# KiCad board OpenEFI_rev4_bkp.kicad_pcb
title: OpenEFI; date: 2023-10-15; rev: v4; company: Churrosoft; note: MIT Licence
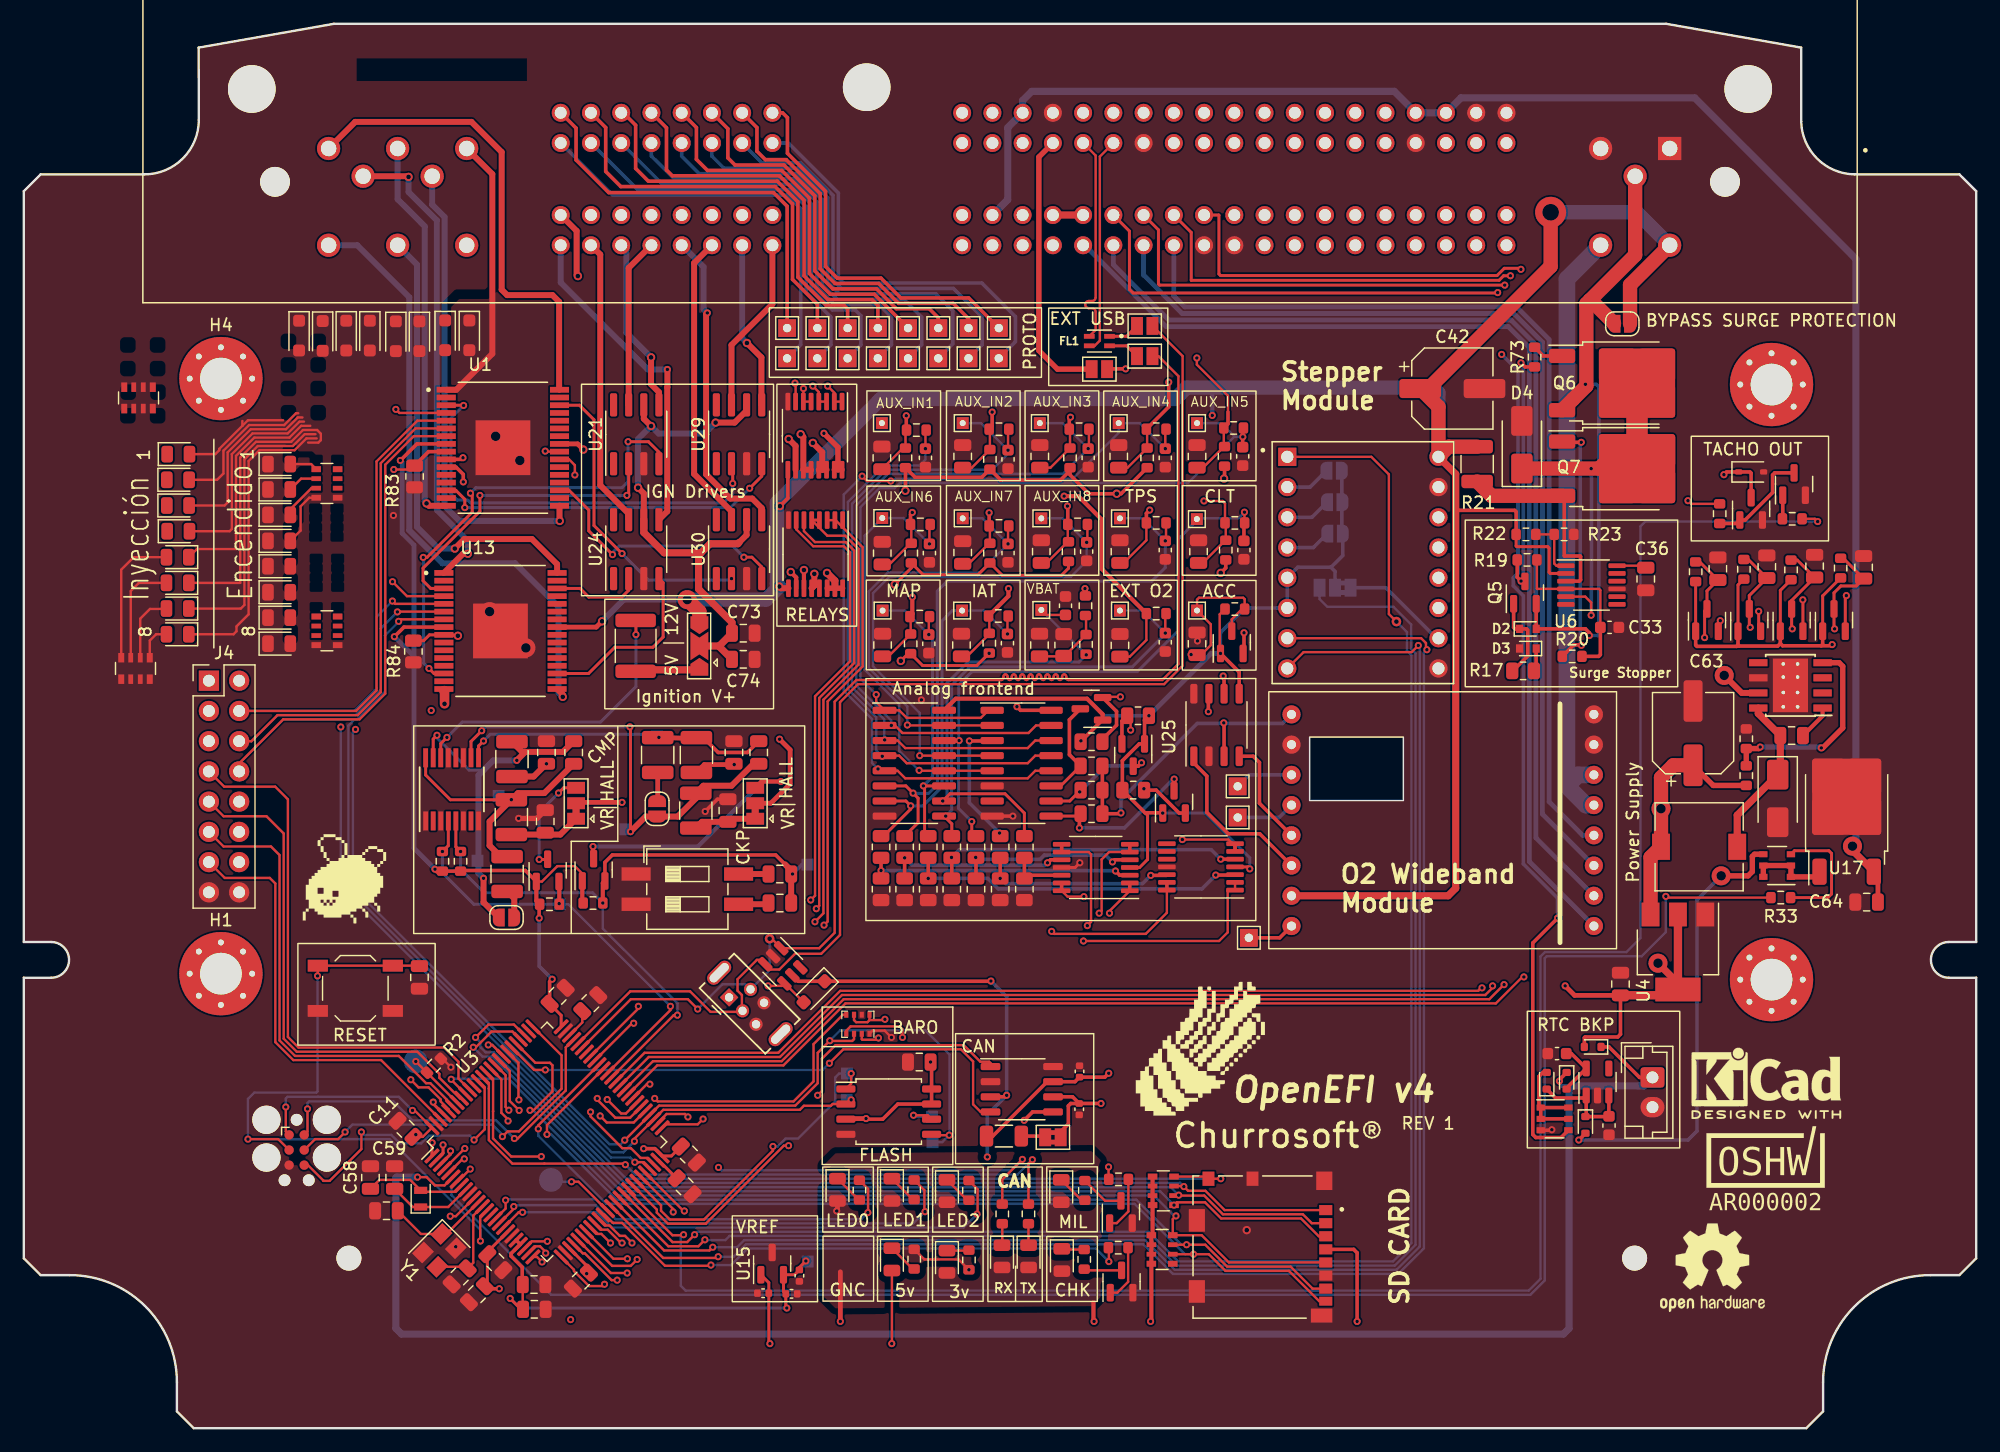
[diagram p0: board, top side]
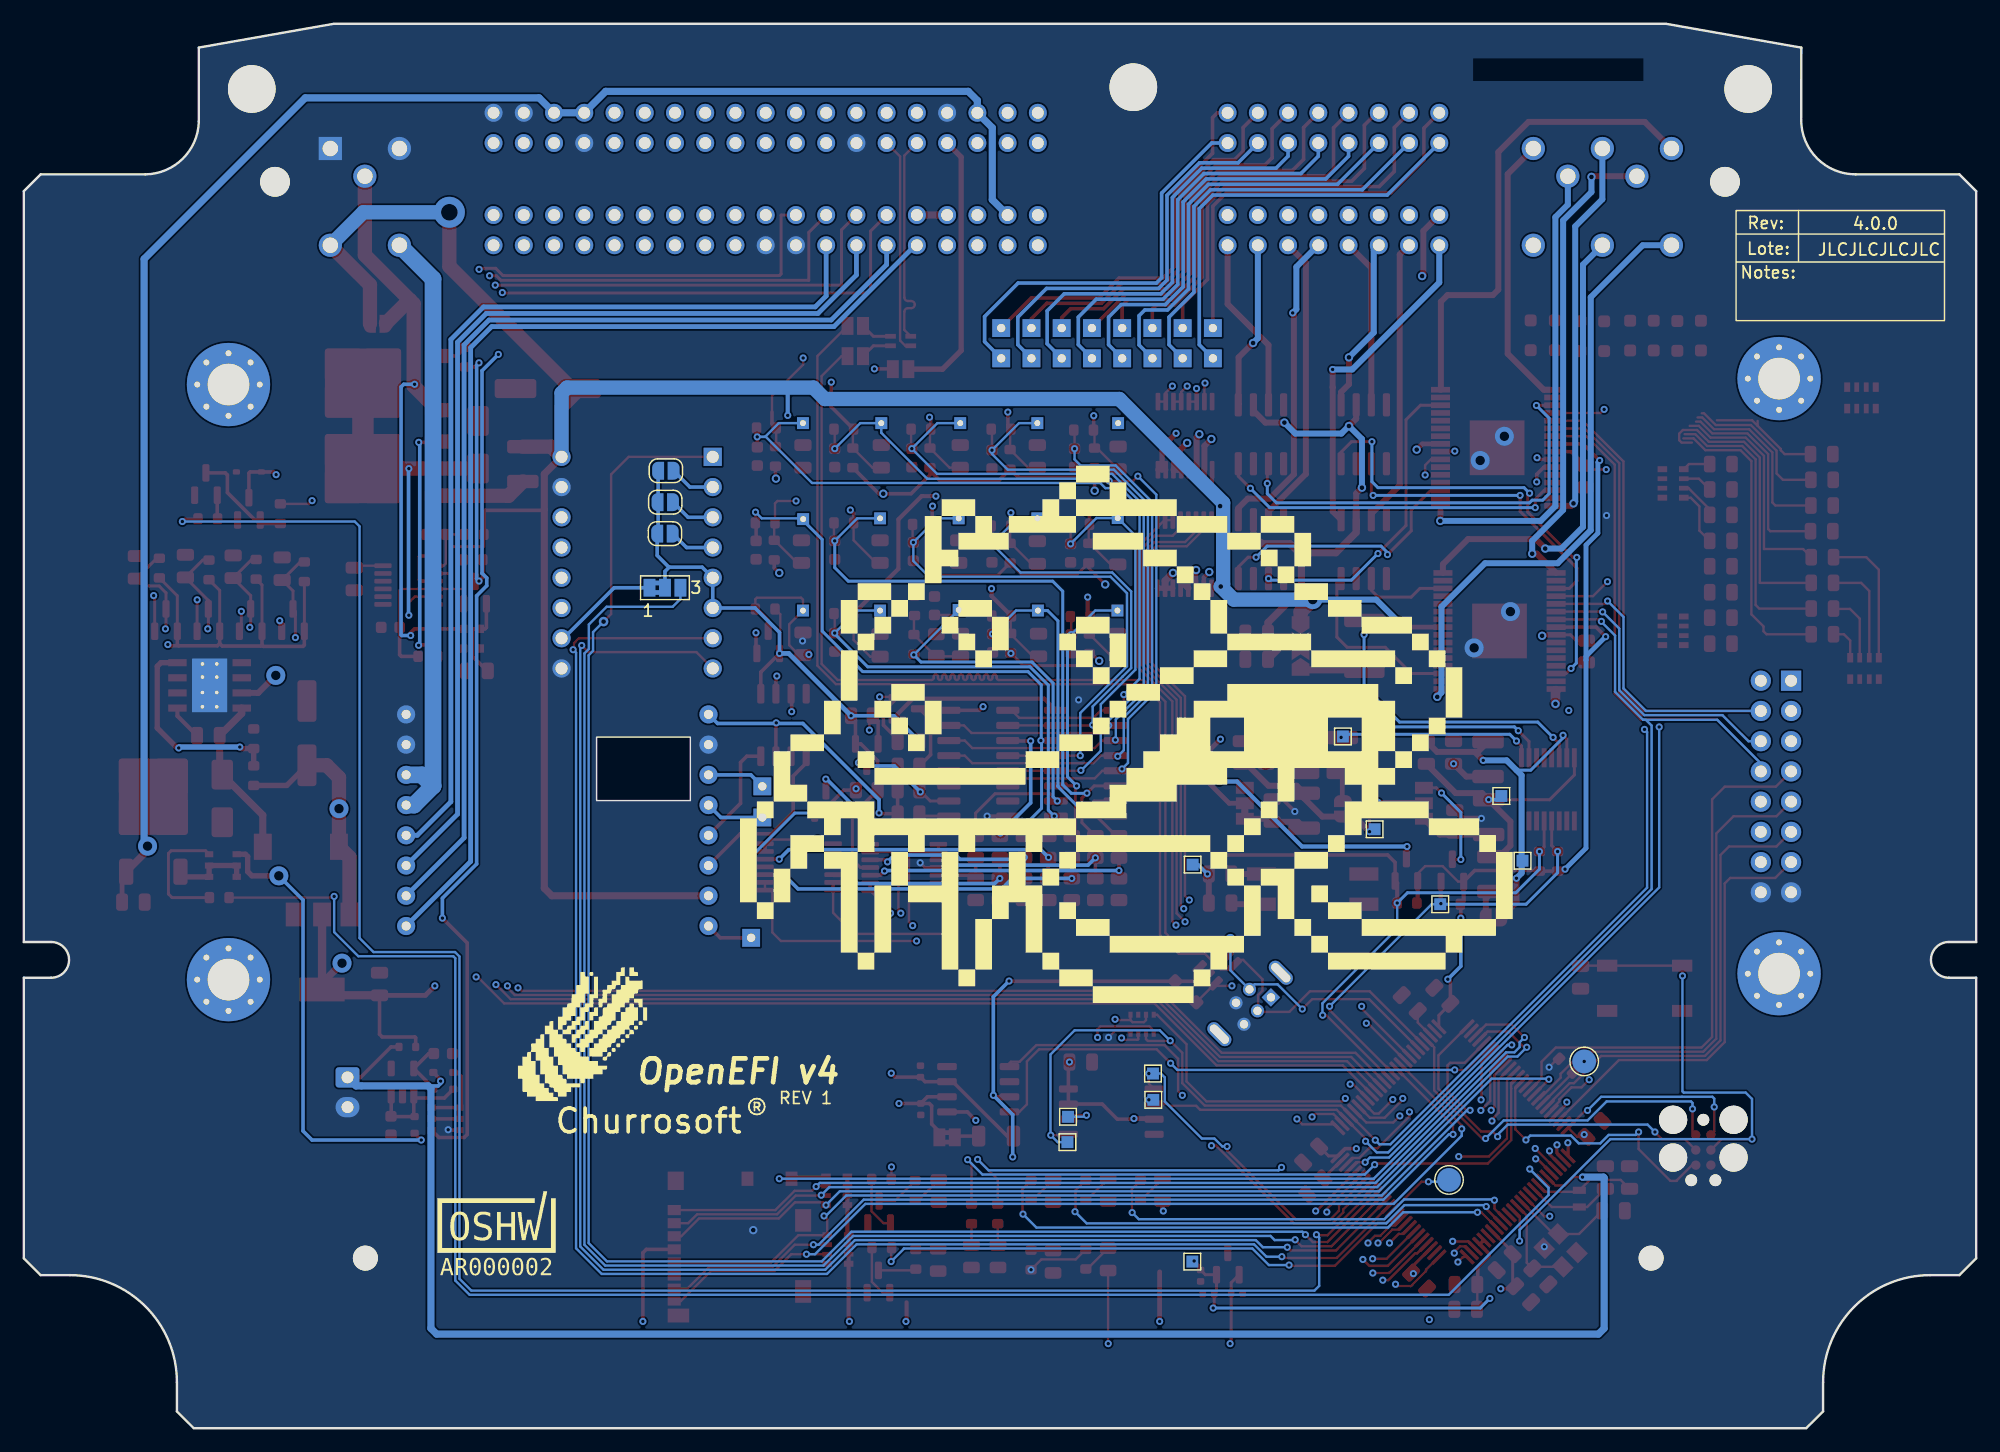
[diagram p1: board, bottom side, seen from below]

Outline 164 x 118 mm; copper layers: Top, In1.Cu (plane), In2.Cu, Bottom. Coordinates in mm from the lower left corner of the outline.
Outline path: 1.41,105.35 0,103.94 0,40.85 2.3,40.85 arc(3.8,39.35) 2.3,37.85 0,37.85 0,14.27 1.41,12.86 3.86,12.86 arc(10.22,10.22) 12.86,3.86 12.86,1.41 14.27,0 149.73,0 151.14,1.41 151.14,3.86 arc(153.78,10.22) 160.14,12.86 162.59,12.86 164,14.27 164,37.85 ; 1.41,105.35 10.11,105.35 arc(13.35,106.68) 14.7,109.91 14.68,116 26.04,118 137.96,118 149.3,116 149.3,109.79 arc(150.65,106.66) 153.8,105.35 ; 164,37.85 161.7,37.85 arc(160.2,39.35) 161.7,40.85 164,40.85 164,103.94 162.59,105.35 ; 162.59,105.35 153.8,105.35
Stack: Top 0.035mm / dielectric 0.48mm FR4 er 4.5 / In1.Cu 0.035mm / dielectric 0.48mm FR4 er 4.5 / In2.Cu 0.035mm / dielectric 0.48mm FR4 er 4.5 / Bottom 0.035mm

## Placement (name value [footprint] x y rotation side)
BT1  Battery_Cell  [JST_EH_B2B-EH-A_1x02_P2.50mm_Vertical]  136.81 29.48 270 top
C1  100nF  [C_0805_2012Metric]  92.07 65.78 90 top
C2  15pF  [C_0805_2012Metric]  30.46 18.27 180 top
C3  15pF  [C_0805_2012Metric]  36.61 12.76 225 top
C4  0.22uF  [C_0603_1608Metric]  75.74 81.53 270 top
C5  100nF  [C_0805_2012Metric]  42.88 9.99 0 top
C6  1uF  [C_0805_2012Metric]  42.86 12.07 0 top
C7  2.2uF  [C_0805_2012Metric]  55.51 20.33 315 top
C8  2.2uF  [C_0805_2012Metric]  47.58 35.72 45 top
C9  100nF  [C_0805_2012Metric]  33.23 37.88 90 top
C10  100nF  [C_0805_2012Metric]  55.86 22.99 315 top
C11  100nF  [C_0805_2012Metric]  32.06 25.15 135 top
C13  100nF  [C_0805_2012Metric]  38.06 11.26 225 top
C14  100nF  [C_0805_2012Metric]  44.84 36.33 45 top
C15  100nF  [C_0805_2012Metric]  46.8 12.4 225 top
C16  4.7uF  [C_0805_2012Metric]  39.61 13.95 315 top
C17  100nF  [C_0805_2012Metric]  75.22 30.77 180 top
C18  100nF  [C_0805_2012Metric]  78.87 81.65 90 top
C19  0.01uF  [C_0805_2012Metric]  146.41 72.38 270 top
C20  0.22uF  [C_0603_1608Metric]  82.68 81.4 270 top
C21  100nF  [C_0805_2012Metric]  85.34 81.65 90 top
C22  0.01uF  [C_0805_2012Metric]  150.43 72.43 270 top
C23  0.22uF  [C_0603_1608Metric]  89.41 81.53 270 top
C24  100nF  [C_0805_2012Metric]  91.97 81.65 90 top
C25  100nF  [C_0805_2012Metric]  85.32 65.8 90 top
C26  0.22uF  [C_0603_1608Metric]  95.88 81.53 270 top
C27  47p  [C_0402_1005Metric]  88.68 29.98 270 top
C28  47p  [C_0402_1005Metric]  88.66 26.8 270 top
C29  0.22uF  [C_0603_1608Metric]  87.5 69.11 90 top
C30  100nF  [C_0805_2012Metric]  72.13 65.8 90 top
C31  0.01uF  [C_0805_2012Metric]  98.55 65.91 270 top
C32  100nF  [C_0805_2012Metric]  72.08 81.53 90 top
C33  47nF  [C_0603_1608Metric]  133.2 67.29 0 top
C34  100nF  [C_0805_2012Metric]  98.55 81.65 90 top
C35  0.22uF  [C_0603_1608Metric]  102.39 81.65 270 top
C36  100nF  [C_0805_2012Metric]  136.24 71.35 270 top
C37  100nF  [C_0805_2012Metric]  72.11 73.53 90 top
C38  0.22uF  [C_0603_1608Metric]  76.07 73.53 270 top
C39  100nF  [C_0805_2012Metric]  78.87 73.58 90 top
C40  1u  [C_0402_1005Metric]  62.1 11.34 180 top
C41  0.01uF  [C_0805_2012Metric]  63.51 46.56 180 top
C42  100uF ±20% 35V  [CP_Elec_6.3x7.7]  120 87.35 0 top
C43  1u  [C_0402_1005Metric]  65.15 12.82 270 top
C44  0.22uF  [C_0603_1608Metric]  82.68 73.53 270 top
C45  100nF  [C_0805_2012Metric]  85.47 73.65 90 top
C46  0.22uF  [C_0603_1608Metric]  76.02 65.91 270 top
C47  4700pF  [C_0805_2012Metric]  63.51 44.13 180 top
C48  100n  [C_0402_1005Metric]  64.49 11.29 0 top
C49  0.22uF  [C_0603_1608Metric]  95.88 66.03 270 top
C50  0.22uF  [C_0603_1608Metric]  89.28 73.65 270 top
C51  0.01uF  [C_0805_2012Metric]  154.54 72.33 270 top
C52  0.01uF  [C_0805_2012Metric]  43.9 56.77 90 top
C53  0.01uF  [C_0805_2012Metric]  43.8 50.98 90 top
C54  0.01uF  [C_0805_2012Metric]  46.19 56.77 90 top
C55  0.01uF  [C_0805_2012Metric]  59.14 51.9 90 top
C56  0.01uF  [C_0805_2012Metric]  59.65 56.77 90 top
C57  0.01uF  [C_0805_2012Metric]  61.73 56.77 270 top
C58  6.8pF  [C_0805_2012Metric]  29.12 21.06 90 top
C59  6.8pF  [C_0805_2012Metric]  31.15 21.06 90 top
C60  47nF  [C_0603_1608Metric]  133.16 25.43 270 top
C61  47nF  [C_0603_1608Metric]  128.79 31.48 180 top
C62  10nF  [C_0805_2012Metric]  148.5 58.2 180 top
C63  330uF ±20% 6.3V  [CP_Elec_6.3x7.7]  140.22 58.4 90 top
C64  100nF  [C_0805_2012Metric]  154.8 44.2 180 top
C65  100nF  [C_0805_2012Metric]  134.12 37.32 90 top
C66  100nF  [C_0805_2012Metric]  78.76 65.8 90 top
C67  0.22uF  [C_0603_1608Metric]  82.62 65.96 270 top
C68  100nF  [C_0805_2012Metric]  98.68 73.65 90 top
C69  0.22uF  [C_0603_1608Metric]  102.49 73.78 270 top
C70  100nF  [C_0805_2012Metric]  92.07 73.65 90 top
C71  0.22uF  [C_0603_1608Metric]  95.88 73.78 270 top
C72  0.01uF  [C_0805_2012Metric]  142.3 72.21 270 top
C73  1uF  [C_0805_2012Metric]  60.44 66.8 180 top
C74  0.1uF  [C_0805_2012Metric]  60.44 64.6 0 top
Churrosoft  SYM_Hot_Large  [churro_new_v4]  99.02 31.88 0 top
Churrosoft#2  SYM_Hot_Large  [churro_new_v4]  116.87 33.1 180 bottom
D1  LED  [LED_0805_2012Metric]  84.4 14.44 270 top
D2  1N4148  [D_SOD-523]  126.34 67.16 0 top
D3  1N4148  [D_SOD-523]  126.34 65.51 180 top
D4  SMAJ58CA  [D_SMA]  125.84 82.63 90 top
D5  LED  [LED_0805_2012Metric]  82.17 14.44 270 top
D6  LED  [LED_0805_2012Metric]  72.92 14.19 270 top
D7  LED  [LED_0805_2012Metric]  77.54 13.98 270 top
D8  LED  [LED_0805_2012Metric]  68.35 20.03 270 top
D9  LED  [LED_0805_2012Metric]  72.92 20.03 270 top
D10  LED  [LED_0805_2012Metric]  77.54 19.93 270 top
D11  MM3Z24VT1G  [D_SOD-323]  145.09 80.35 0 top
D12  LED  [LED_0805_2012Metric]  87.15 19.93 270 top
D13  LED  [LED_0805_2012Metric]  87.2 14.14 270 top
D14  1N4148  [D_SOD-523#2]  131.78 32.04 180 top
D15  1N5819WS  [D_SOD-323_HandSoldering]  66.39 36.67 225 top
D16  LED  [LED_0805_2012Metric]  21.45 78.87 0 top
D17  LED  [LED_0805_2012Metric]  21.45 76.74 0 top
D18  LED  [LED_0805_2012Metric]  21.45 74.55 0 top
D19  LED  [LED_0805_2012Metric]  21.45 72.42 0 top
D20  LED  [LED_0805_2012Metric]  21.45 70.24 0 top
D21  LED  [LED_0805_2012Metric]  21.45 68.1 0 top
D22  LED  [LED_0805_2012Metric]  21.45 65.92 0 top
D23  1N4148  [D_SOD-523#2]  127.92 29.19 90 top
D24  1N4148  [D_SOD-523#2]  131.17 25.48 270 top
D25  1N4148  [D_SOD-523#2]  129.6 29.19 270 top
D26  B540C-13-F  [D_SMA]  147.33 52.91 270 top
D43  LED  [LED_0805_2012Metric]  12.98 81.84 0 top
D47  D  [D_SOD-323_HandSoldering]  23.12 91.8 270 top
D63  LED  [LED_0805_2012Metric]  12.95 79.69 0 top
D64  D  [D_SOD-323_HandSoldering]  25.1 91.78 270 top
D65  LED  [LED_0805_2012Metric]  12.95 77.53 0 top
D66  D  [D_SOD-323_HandSoldering]  27.09 91.8 270 top
D67  LED  [LED_0805_2012Metric]  12.98 75.37 0 top
D68  D  [D_SOD-323_HandSoldering]  29.07 91.8 270 top
D69  LED  [LED_0805_2012Metric]  12.92 73.19 180 top
D70  D  [D_SOD-323_HandSoldering]  31.25 91.75 270 top
D71  LED  [LED_0805_2012Metric]  12.92 71.03 180 top
D72  D  [D_SOD-323_HandSoldering]  33.23 91.75 270 top
D73  LED  [LED_0805_2012Metric]  12.92 68.87 180 top
D74  D  [D_SOD-323_HandSoldering]  35.39 91.83 270 top
D75  LED  [LED_0805_2012Metric]  12.92 66.71 180 top
D76  D  [D_SOD-323_HandSoldering]  37.42 91.83 270 top
D77  LED  [LED_0805_2012Metric]  21.45 81.01 0 top
F1  Polyfuse  [Fuse_1812_4532Metric]  51.4 65.73 270 top
FL1  DLW21SZ900HQ2L  [FIL_DLW21SZ900HQ2L]  90.35 91.34 180 top
G***  -  [LOGO]  26.93 46.16 0 top
G***#2  -  [LOGO]  146.31 21.82 0 top
G***#3  -  [LOGO]  124.29 16.36 180 bottom
G***#4  -  [LOGO]  71.38 58.3 180 bottom
H1  MountingHole  [MountingHole_3.5mm_Pad_Via]  16.56 38.19 0 top
H2  MountingHole  [MountingHole_3.5mm_Pad_Via]  146.81 87.69 0 top
H3  MountingHole  [MountingHole_3.5mm_Pad_Via]  146.81 37.69 0 top
H4  MountingHole  [MountingHole_3.5mm_Pad_Via]  16.56 88.19 0 top
H5  MountingHole  [MountingHole_2.1mm]  27.31 14.29 0 top
H6  MountingHole  [MountingHole_2.1mm]  135.31 14.29 0 top
J1  USB_B  [USB_Mini-B_Tensility_54-00023_Vertical]  59.24 36.2 315 top
J2  Tag connect  [Tag-Connect_TC2030-IDC-FP_2x03_P1.27mm_Vertical]  22.92 23.37 270 top
J3  104031-0811  [MOLEX_104031-0811]  103.91 15.22 90 top
J4  Conn_02x08_Odd_Even  [PinHeader_2x08_P2.54mm_Vertical]  15.55 62.8 0 top
J6  1241434-1  [TE_1241434-1]  82 112.52 180 top
JP1  SolderJumper_2_Open  [SolderJumper-2_P1.3mm_Open_RoundedPad1.0x1.5mm]  110.12 77.81 180 bottom
JP2  SolderJumper_2_Open  [SolderJumper-2_P1.3mm_Open_RoundedPad1.0x1.5mm]  110.07 80.45 180 bottom
JP3  SolderJumper_2_Open  [SolderJumper-2_P1.3mm_Open_RoundedPad1.0x1.5mm]  110.14 75.16 180 bottom
JP4  Jumper_NO_Small  [SolderJumper-2_P1.3mm_Open_RoundedPad1.0x1.5mm]  134.27 92.79 0 top
JP5  ~  [SolderJumper-3_P1.3mm_Bridged2Bar12_Pad1.0x1.5mm_NumberLabels]  110.14 70.62 180 bottom
JP6  SolderJumper_3_Bridged12  [SolderJumper-3_P2.0mm_Open_TrianglePad1.0x1.5mm]  56.75 65.72 90 top
JP7  Jumper_2_Open  [SolderJumper-2_P1.3mm_Bridged2Bar_Pad1.0x1.5mm]  86.45 24.44 180 top
JP8  Jumper_3_Bridged12  [SolderJumper-3_P1.3mm_Bridged12_Pad1.0x1.5mm]  46.39 52.51 90 top
JP9  Jumper_3_Bridged12  [SolderJumper-3_P1.3mm_Bridged12_Pad1.0x1.5mm]  61.44 52.51 90 top
JP10  SolderJumper_2_Open  [SolderJumper-2_P1.3mm_Open_Pad1.0x1.5mm]  90.35 88.98 0 top
JP11  SolderJumper_2_Open  [SolderJumper-2_P1.3mm_Open_Pad1.0x1.5mm]  94.16 90.07 0 top
JP12  SolderJumper_2_Open  [SolderJumper-2_P1.3mm_Open_Pad1.0x1.5mm]  94.16 92.61 0 top
JP23  SolderJumper_2_Open  [SolderJumper-2_P1.3mm_Open_RoundedPad1.0x1.5mm]  40.55 42.91 0 top
JP24  SolderJumper_2_Open  [SolderJumper-2_P1.3mm_Open_RoundedPad1.0x1.5mm]  53.2 52.04 90 top
L1  10uH  [L_7.3x7.3_H4.5]  140.73 48.85 180 top
LOGO1  Logo_Open_Hardware_Large  [OSHW-Logo2_9.8x8mm_SilkScreen]  141.84 13.49 0 top
Q1  AO3400A  [SOT-23]  144.94 67.9 90 top
Q2  AO3400A  [SOT-23]  141.39 67.9 90 top
Q3  AO3400A  [SOT-23]  148.5 67.9 90 top
Q4  AO3400A  [SOT-23]  152.05 67.9 90 top
Q5  SS8050  [SOT-23]  126.09 70.21 90 top
Q6  IRLZ44N  [TO-252-2]  134.25 87.81 0 top
Q7  IRLZ44N  [TO-252-2]  134.26 80.62 0 top
Q8  SS8050  [SOT-23]  92.16 18.17 90 top
Q9  SS8050  [SOT-23]  92.21 12.32 90 top
Q10  PMN30XPX  [TSOP-6_1.65x3.05mm_P0.95mm]  147.28 47.28 180 top
Q11  SS8050  [SOT-23]  148.7 79.33 90 top
Q12  AO3400A  [SOT-23]  145.09 77.25 90 top
Q14  AO3400A  [SOT-23]  93.19 56.56 270 top
Q15  AO3400A  [SOT-23]  96.62 52.62 90 top
Q16  AO3400A  [SOT-23]  89.69 60.45 180 top
Q17  AO3400A  [SOT-23]  44 46.87 90 top
Q18  AO3400A  [SOT-23]  47.86 46.92 90 top
Q19  AO3400A  [SOT-23]  101.47 66.03 90 top
Q20  PMN30XPX  [TSOP-6_1.65x3.05mm_P0.95mm]  128.58 25.99 0 top
R1  120R  [R_1206_3216Metric]  82.33 24.54 180 top
R2  10k  [R_0603_1608Metric]  34.45 30.46 45 top
R3  4.7k  [R_0603_1608Metric]  79.39 14.14 270 top
R4  4.7k  [R_0603_1608Metric]  74.79 14.21 90 top
R5  4.7k  [R_0603_1608Metric]  84.39 18.01 90 top
R6  2.49k +-1%  [R_0603_1608Metric]  81.15 81.4 270 top
R7  348k  [R_0805_2012Metric]  79.98 45.28 270 top
R8  470R  [R_0603_1608Metric]  101.62 84.04 180 top
R9  2.49k +-1%  [R_0603_1608Metric]  87.88 81.53 270 top
R10  180k  [R_0805_2012Metric]  79.98 48.84 90 top
R11  470R  [R_0603_1608Metric]  81.91 83.94 180 top
R12  2.49k +-1%  [R_0603_1608Metric]  94.36 81.53 270 top
R13  180k  [R_0805_2012Metric]  73.99 48.84 90 top
R14  470R  [R_0603_1608Metric]  88.64 83.94 180 top
R15  2.49k +-1%  [R_0603_1608Metric]  87.76 73.65 270 top
R16  604R  [R_0805_2012Metric]  87.35 65.8 270 top
R17  10k  [R_0805_2012Metric]  125.94 63.63 180 top
R18  10k  [R_0805_2012Metric]  89.69 55.64 180 top
R19  1M 1/10W  [R_0603_1608Metric]  126.27 72.96 180 top
R20  10R 1/10W  [R_0603_1608Metric]  130.06 64.85 0 top
R21  0.01R  [R_1210_3225Metric]  122.08 81.01 270 top
R22  57.6K 1/10W  [R_0603_1608Metric]  126.18 75.1 0 top
R23  4.99K 1/10W  [R_0603_1608Metric]  129.38 75.1 180 top
R24  4.7k  [R_0603_1608Metric]  82.19 18.01 90 top
R25  4.7k  [R_0603_1608Metric]  70.19 20.01 90 top
R26  4.7k  [R_0603_1608Metric]  74.79 20.03 90 top
R27  4.7k  [R_0603_1608Metric]  79.39 19.98 90 top
R28  3.88k  [R_0603_1608Metric]  89.18 69.11 90 top
R29  4.7k  [R_0603_1608Metric]  89.13 19.98 90 top
R30  4.7k  [R_0603_1608Metric]  89.08 14.19 270 top
R31  1k  [R_0603_1608Metric]  91.96 20.91 0 top
R32  1k  [R_0603_1608Metric]  91.93 15.17 0 top
R33  10R 1/10W  [R_0603_1608Metric]  147.58 44.58 0 top
R34  1k  [R_0603_1608Metric]  148.55 76.41 180 top
R35  100k  [R_0603_1608Metric]  142.45 76.84 270 top
R36  2.49k +-1%  [R_0603_1608Metric]  74.06 81.53 270 top
R37  470R  [R_0603_1608Metric]  95.12 83.94 180 top
R38  470R  [R_0603_1608Metric]  74.98 83.86 180 top
R39  2.49k +-1%  [R_0603_1608Metric]  81.15 73.53 270 top
R40  470R  [R_0603_1608Metric]  88.52 75.94 180 top
R41  2.49k +-1%  [R_0603_1608Metric]  74.55 73.53 270 top
R42  470R  [R_0603_1608Metric]  81.91 75.81 180 top
R43  2.49k +-1%  [R_0603_1608Metric]  100.86 81.65 270 top
R44  348k  [R_0805_2012Metric]  73.99 45.28 270 top
R45  470R  [R_0603_1608Metric]  101.73 76.07 180 top
R46  2.49k +-1%  [R_0603_1608Metric]  100.96 73.78 270 top
R47  180k  [R_0805_2012Metric]  72.01 48.84 90 top
R48  348k  [R_0805_2012Metric]  72.01 45.28 270 top
R49  10k  [R_0805_2012Metric]  89.69 57.68 180 top
R50  10k  [R_0805_2012Metric]  89.69 53.61 180 top
R51  10k  [R_0805_2012Metric]  93.6 59.86 0 top
R52  10k  [R_0805_2012Metric]  89.69 51.63 180 top
R53  10k  [R_0805_2012Metric]  93.19 53.61 180 top
R54  2.49k +-1%  [R_0603_1608Metric]  81.1 65.96 270 top
R55  180k  [R_0805_2012Metric]  75.97 48.84 90 top
R56  470R  [R_0603_1608Metric]  89.23 65.86 90 top
R57  180k  [R_0805_2012Metric]  82.01 48.84 90 top
R60  470R  [R_0603_1608Metric]  75.31 75.94 180 top
R61  348k  [R_0805_2012Metric]  75.97 45.28 270 top
R62  180k  [R_0805_2012Metric]  84.05 48.84 90 top
R63  348k  [R_0805_2012Metric]  84.05 45.28 270 top
R64  1k  [R_0603_1608Metric]  44.15 44.02 0 top
R65  1k  [R_0603_1608Metric]  47.81 44.13 0 top
R66  348k  [R_0805_2012Metric]  82.01 45.28 270 top
R67  180k  [R_0805_2012Metric]  77.95 48.84 90 top
R68  10k  [R_0603_1608Metric]  144.69 54.83 90 top
R69  348k  [R_0805_2012Metric]  77.95 45.28 270 top
R70  3.24k  [R_0603_1608Metric]  144.69 57.93 90 top
R71  10K 1/2W  [R_1210_3225Metric]  41 56.22 90 top
R72  10K 1/2W  [R_1210_3225Metric]  40.95 51.34 90 top
R73  10R 1/10W  [R_0603_1608Metric]  126.91 90 270 top
R74  2.49k +-1%  [R_0603_1608Metric]  74.5 65.91 270 top
R75  470R  [R_0603_1608Metric]  81.86 68.24 180 top
R76  470R  [R_0603_1608Metric]  95.12 76.07 180 top
R77  470R  [R_0603_1608Metric]  75.26 68.19 180 top
R78  470R  [R_0603_1608Metric]  95.12 68.45 180 top
R79  1k  [R_0603_1608Metric]  140.43 71.96 270 top
R80  1k  [R_0603_1608Metric]  144.48 72.17 270 top
R81  1k  [R_0603_1608Metric]  148.45 72.12 270 top
R82  1k  [R_0603_1608Metric]  152.61 72.27 270 top
R83  10k  [R_0805_2012Metric]  32.83 79.96 90 top
R84  10k  [R_0805_2012Metric]  32.72 65.26 90 top
R85  1k  [R_0603_1608Metric]  101.73 68.83 180 top
R115  4.99K 1/2W  [R_1210_3225Metric]  40.6 46.56 270 top
R116  10K 1/2W  [R_1210_3225Metric]  56.5 56.56 90 top
R117  10K 1/2W  [R_1210_3225Metric]  56.45 51.89 90 top
R120  4.99K 1/2W  [R_1210_3225Metric]  53.25 56.56 270 top
R121  10k  [R_0603_1608Metric]  35.16 47.63 90 top
R122  10k  [R_0603_1608Metric]  36.69 47.63 90 top
RN1  1k  [R_Array_Convex_4x0603]  9.64 86.57 90 top
RN2  1k  [R_Array_Convex_4x0603]  9.38 63.84 270 top
RN3  1k  [R_Array_Convex_4x0603]  25.46 79.38 0 top
RN4  1k  [R_Array_Convex_4x0603]  25.46 67 0 top
RN5  47k  [R_Array_Convex_4x0603]  95.72 19.94 180 top
RN6  47k  [R_Array_Convex_4x0603]  95.61 15.02 180 top
SW1  SW_Push  [SW_SPST_TL3342]  27.85 36.96 0 top
SW4  SW_DIP_x02  [SW_DIP_SPSTx02_Slide_6.7x6.64mm_W8.61mm_P2.54mm_LowProfile]  55.74 45.29 0 top
SYM1  SYM_Hot_Small  [KiCad-Logo2_5mm_SilkScreen]  146.36 28.99 0 top
TP1  BOOT0  [TestPoint_Pad_D2.0mm]  32.93 30.82 90 bottom
TP2  BOOT1  [TestPoint_Pad_D2.0mm]  44.28 20.86 90 bottom
TP3  TestPoint  [TestPoint_Pad_1.0x1.0mm]  53.2 58.12 90 bottom
TP4  TestPoint  [TestPoint_Pad_1.0x1.0mm]  39.89 53.12 90 bottom
TP5  TestPoint  [TestPoint_Pad_1.0x1.0mm]  38.11 47.68 90 bottom
TP6  TestPoint  [TestPoint_Pad_1.0x1.0mm]  50.53 50.32 90 bottom
TP7  TestPoint  [TestPoint_Pad_1.0x1.0mm]  65.82 47.35 90 bottom
TP8  TestPoint  [TestPoint_Pad_1.0x1.0mm]  45.02 44.02 90 bottom
TP9  TestPoint  [TestPoint_Pad_1.0x1.0mm]  69.15 29.8 180 bottom
TP10  TestPoint_Alt  [TestPoint_THTPad_1.0x1.0mm_Drill0.5mm]  72.08 84.45 0 top
TP11  TestPoint_Alt  [TestPoint_THTPad_1.0x1.0mm_Drill0.5mm]  78.87 84.45 90 top
TP12  TestPoint_Alt  [TestPoint_THTPad_1.0x1.0mm_Drill0.5mm]  85.34 84.45 90 top
TP13  TestPoint_Alt  [TestPoint_THTPad_1.0x1.0mm_Drill0.5mm]  91.97 84.45 0 top
TP14  TestPoint_Alt  [TestPoint_THTPad_1.0x1.0mm_Drill0.5mm]  78.81 68.7 0 top
TP15  TestPoint_Alt  [TestPoint_THTPad_1.0x1.0mm_Drill0.5mm]  98.54 76.38 180 top
TP16  TestPoint_Alt  [TestPoint_THTPad_1.0x1.0mm_Drill0.5mm]  98.55 84.45 0 top
TP17  TestPoint_Alt  [TestPoint_THTPad_1.0x1.0mm_Drill0.5mm]  72.11 76.47 0 top
TP18  TestPoint_Alt  [TestPoint_THTPad_1.0x1.0mm_Drill0.5mm]  78.87 76.45 0 top
TP19  TestPoint_Alt  [TestPoint_THTPad_1.0x1.0mm_Drill0.5mm]  92.07 76.45 0 top
TP20  TestPoint_Alt  [TestPoint_THTPad_1.0x1.0mm_Drill0.5mm]  85.47 68.75 90 top
TP21  TestPoint_Alt  [TestPoint_THTPad_1.0x1.0mm_Drill0.5mm]  85.47 76.45 0 top
TP22  TestPoint  [TestPoint_THTPad_1.5x1.5mm_Drill0.7mm]  64.12 92.44 0 top
TP23  TestPoint_Alt  [TestPoint_THTPad_1.0x1.0mm_Drill0.5mm]  72.13 68.7 0 top
TP24  TestPoint  [TestPoint_THTPad_1.5x1.5mm_Drill0.7mm]  66.66 92.44 0 top
TP25  TestPoint_Alt  [TestPoint_THTPad_1.0x1.0mm_Drill0.5mm]  92.07 68.7 0 top
TP26  TestPoint  [TestPoint_THTPad_1.5x1.5mm_Drill0.7mm]  69.2 92.44 0 top
TP27  TestPoint  [TestPoint_THTPad_1.5x1.5mm_Drill0.7mm]  71.74 92.44 0 top
TP28  TestPoint  [TestPoint_Pad_1.0x1.0mm]  76.29 26.17 180 bottom
TP29  TestPoint  [TestPoint_Pad_1.0x1.0mm]  76.34 24.03 180 bottom
TP30  TestPoint  [TestPoint_Pad_1.0x1.0mm]  69.12 27.59 180 bottom
TP31  TestPoint  [TestPoint_THTPad_1.5x1.5mm_Drill0.7mm]  74.28 92.44 0 top
TP32  TestPoint  [TestPoint_THTPad_1.5x1.5mm_Drill0.7mm]  76.82 92.44 0 top
TP33  TestPoint  [TestPoint_THTPad_1.5x1.5mm_Drill0.7mm]  79.36 92.44 0 top
TP34  TestPoint  [TestPoint_THTPad_1.5x1.5mm_Drill0.7mm]  81.9 92.44 0 top
TP35  TestPoint  [TestPoint_THTPad_1.5x1.5mm_Drill0.7mm]  102.9 41.2 90 top
TP36  TestPoint  [TestPoint_THTPad_1.5x1.5mm_Drill0.7mm]  101.96 51.31 180 top
TP37  TestPoint  [TestPoint_THTPad_1.5x1.5mm_Drill0.7mm]  101.96 53.93 180 top
TP38  TestPoint_Alt  [TestPoint_THTPad_1.0x1.0mm_Drill0.5mm]  98.55 68.7 0 top
TP39  TestPoint  [TestPoint_Pad_1.0x1.0mm]  65.85 14 180 bottom
TP67  TestPoint  [TestPoint_THTPad_1.5x1.5mm_Drill0.7mm]  64.12 89.89 0 top
TP68  TestPoint  [TestPoint_THTPad_1.5x1.5mm_Drill0.7mm]  66.66 89.89 0 top
TP69  TestPoint  [TestPoint_THTPad_1.5x1.5mm_Drill0.7mm]  69.2 89.89 0 top
TP70  TestPoint  [TestPoint_THTPad_1.5x1.5mm_Drill0.7mm]  71.74 89.89 0 top
TP71  TestPoint  [TestPoint_THTPad_1.5x1.5mm_Drill0.7mm]  74.28 89.89 0 top
TP72  TestPoint  [TestPoint_THTPad_1.5x1.5mm_Drill0.7mm]  76.82 89.89 0 top
TP73  TestPoint  [TestPoint_THTPad_1.5x1.5mm_Drill0.7mm]  79.36 89.89 0 top
TP74  TestPoint  [TestPoint_THTPad_1.5x1.5mm_Drill0.7mm]  81.9 89.89 0 top
U1  MCZ33810EK  [SOP65P1030X245-33N]  40.24 82.38 0 top
U2  74HC4851  [SOIC-16_3.9x9.9mm_P1.27mm]  83.82 55.87 0 top
U3  STM32F407VGTx  [LQFP-100_14x14mm_P0.5mm]  43.95 24.06 45 top
U4  AMS1117-3.3  [SOT-223-3_TabPin2]  138.95 40.01 270 top
U6  LT4363IMS  [MSOP-12_3x4mm_P0.65mm]  131.68 70.84 0 top
U7  25LCxxx  [SOIC-8_5.275x5.275mm_P1.27mm]  72.65 26.6 0 top